# Allegro board BRD-05058-01_B04.brd (continued)
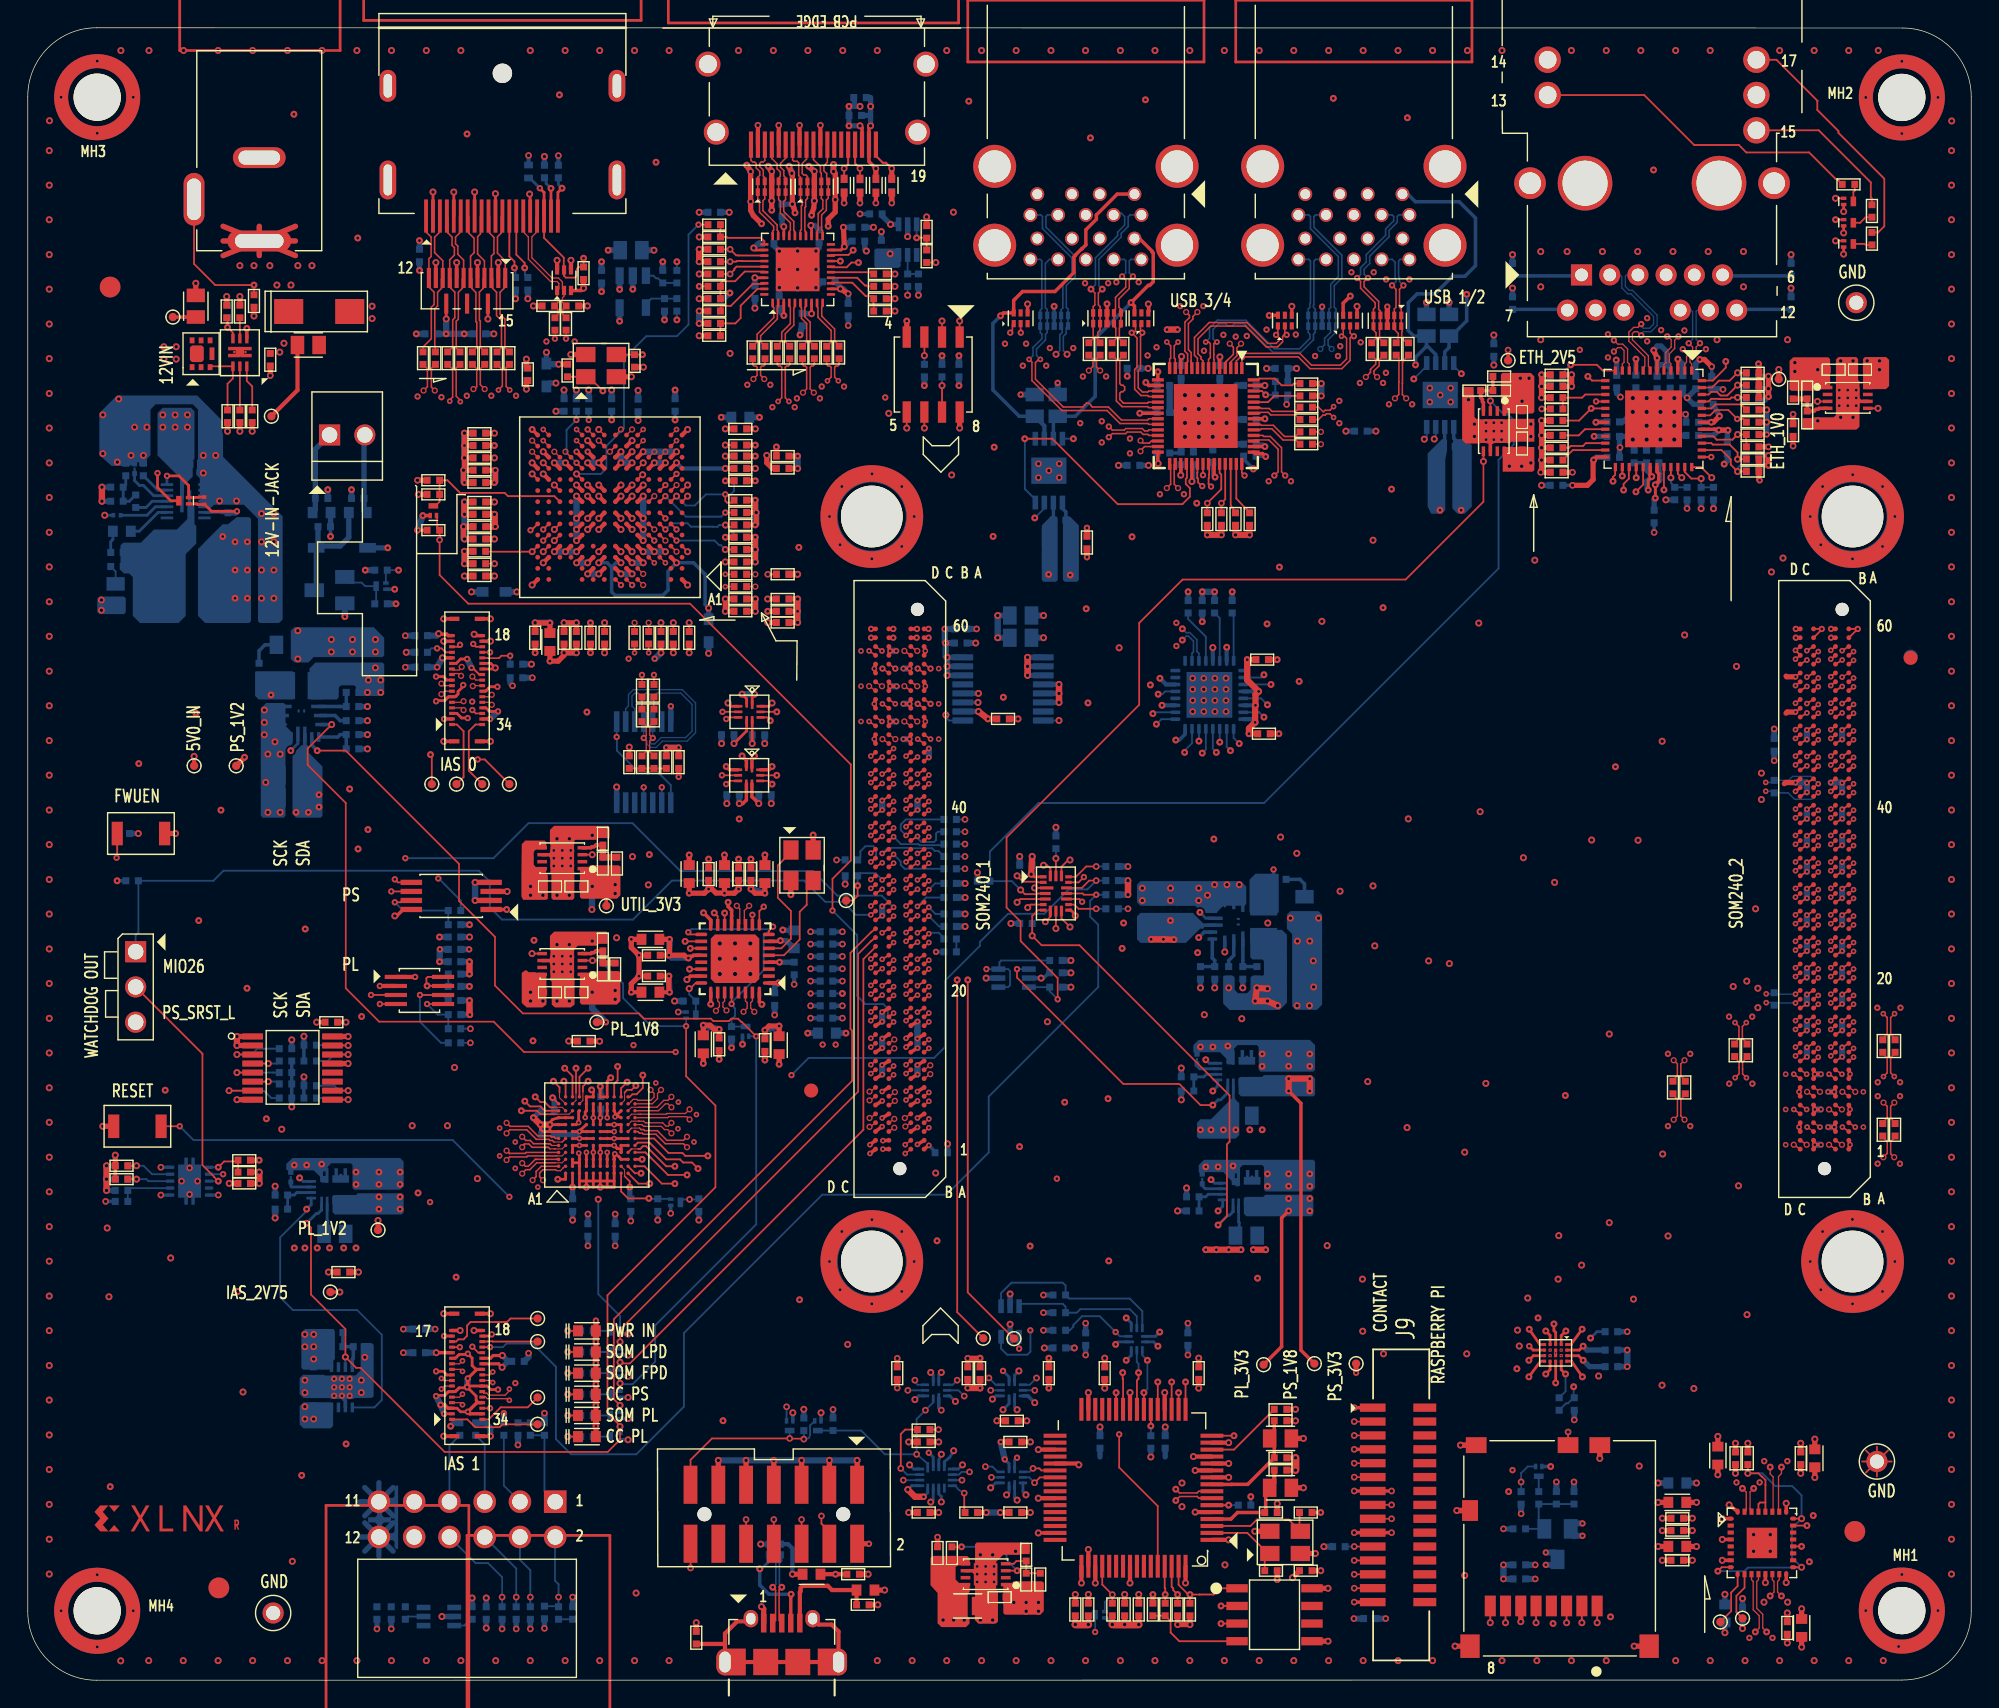
[diagram p0: board, top side]
## Routing (per net, layer and track width the routed paths; a pad name or vN(x,y) marks a point on that pad's centre or on a via; arc(x,y) is an arc through that point) (continued)
  L12_SIG w0.091: J10.9 114.57,98.66 114.09,98.18 114.09,98.02 115.09,97.02 115.09,96.27 114.77,95.96 114.54,95.96 v2(114.26,95.68)
GEM_TD_D_P: length 6.9
  TOP w0.094: U36.10 115.37,94.79 115.24,94.91 115.24,95.87 114.9,96.22 114.54,96.22 v2(114.26,96.49)
  L12_SIG w0.091: J10.8 113.34,98.66 113.83,98.17 113.83,97.91 114.83,96.92 114.83,96.38 114.67,96.22 114.54,96.22 v2(114.26,96.49)
GEM_XTAL_IN: length 4
  TOP w0.132: C172.1 C173.1 111.97,92.36 112.2,92.59 U36.15
GTH_DP0_C2M_N: length 194.2
  TOP w0.112: C347.2 122.96,45.89 123.27,46.2 123.27,47.08 v3(122.99,47.36)
  TOP w0.114: JA2.B10 v3(130.69,43.64)
  L12_SIG w0.112: v3(130.69,43.64) 130.35,43.31 130.35,43.04 130.09,42.78 126.7,42.78 117.61,33.69 116.22,33.69 115.96,33.96 115.96,35.43 115.85,35.54 99.49,35.54 99.38,35.43 99.38,34.99 99.49,34.87 115.03,34.87 115.29,34.61 115.29,33.96 115.03,33.69 98.35,33.69 95.13,36.92 95.13,50.22 95.39,50.48 96.04,50.48 96.3,50.22 96.3,46.81 96.42,46.7 96.86,46.7 96.97,46.81 96.97,50.22 97.24,50.48 97.89,50.48 98.18,50.19 98.18,47.11 98.29,46.99 98.73,46.99 98.85,47.11 98.85,51.01 98.71,51.15 95.39,51.15 95.13,51.41 95.13,53.92 97.81,56.61 98.92,56.61 99.18,56.35 99.18,54.87 99.29,54.76 117.64,54.76 117.75,54.87 117.75,55.32 117.64,55.43 100.11,55.43 99.85,55.69 99.85,56.35 100.11,56.61 118.36,56.61 120.6,54.37 120.6,46.88 121.26,46.22 123.14,46.22 123.26,46.34 123.26,47.09 v3(122.99,47.36)
GTH_DP0_C2M_P: length 194.2
  TOP w0.112: v3(123.8,47.36) 123.52,47.08 123.52,46.22 123.85,45.89 C345.2
  TOP w0.114: JA2.B9 v3(129.76,43.64)
  L12_SIG w0.112: v3(123.8,47.36) 123.51,47.07 123.51,46.23 123.24,45.96 121.15,45.96 120.34,46.77 120.34,54.27 118.26,56.35 100.22,56.35 100.11,56.24 100.11,55.79 100.22,55.68 117.74,55.68 118,55.42 118,54.76 117.74,54.5 99.19,54.5 98.93,54.76 98.93,56.24 98.82,56.35 97.91,56.35 95.38,53.82 95.38,51.51 95.49,51.4 98.82,51.4 99.1,51.12 99.1,47 98.84,46.74 98.18,46.74 97.92,47 97.92,50.09 97.79,50.22 97.34,50.22 97.23,50.11 97.23,46.7 96.97,46.44 96.31,46.44 96.05,46.7 96.05,50.11 95.94,50.22 95.49,50.22 95.38,50.11 95.38,37.03 98.46,33.95 114.92,33.95 115.04,34.06 115.04,34.51 114.92,34.62 99.38,34.62 99.12,34.88 99.12,35.54 99.38,35.8 115.95,35.8 116.21,35.54 116.21,34.06 116.33,33.95 117.51,33.95 124.11,40.55 124.11,40.71 124.03,40.79 124.03,40.95 124.18,41.11 124.34,41.11 124.43,41.03 124.58,41.03 124.74,41.18 124.74,41.34 124.66,41.43 124.66,41.58 124.82,41.74 124.97,41.74 125.06,41.66 125.22,41.66 126.59,43.04 129.99,43.04 130.1,43.15 130.1,43.31 v3(129.76,43.64)
GTH_DP0_M2C_N: length 9
  TOP w0.112: v3(123,43.39) 123.28,43.67 123.28,44.11 123.28,44.11 123.28,44.52 122.96,44.84 C347.1
  TOP w0.114: JA2.D10 v3(128.15,43.64)
  L12_SIG w0.099: 127.4,44.57 127.42,44.57 127.46,44.52 127.49,44.52 127.61,44.4 127.61,44.39 127.76,44.24 127.76,43.84 127.96,43.64 v3(128.15,43.64)
  L12_SIG w0.112: 127.4,44.57 127.28,44.57 123.53,44.57 123.26,44.31 123.26,43.66 v3(123,43.39)
GTH_DP0_M2C_P: length 9
  TOP w0.112: C345.1 123.85,44.84 123.53,44.52 123.53,43.67 v3(123.81,43.39)
  TOP w0.114: JA2.D9 v3(127.22,43.64)
  L12_SIG w0.099: v3(127.22,43.64) 127.46,43.64 127.56,43.74 127.56,44.16 127.4,44.31
  L12_SIG w0.112: 127.4,44.31 127.17,44.31 125.6,44.31 125.49,44.2 125.49,43.92 125.38,43.8 125.16,43.8 125.04,43.92 125.04,44.2 124.93,44.31 123.63,44.31 123.52,44.2 123.52,43.68 v3(123.81,43.39)
GTH_DP1_C2M_N: length 86.9
  TOP w0.112: C351.2 119.4,42.16 119.09,41.84 119.09,40.63 v5(119.35,40.37)
  TOP w0.114: JA2.D2 v5(128.15,38.56)
  L03_SIG w0.112: v5(128.15,38.56) 127.81,38.9 127.81,39.16 127.55,39.42 125.55,39.42 124.89,38.77 124.89,23.82 124.78,23.71 123.24,23.71 123.13,23.82 123.13,26.14 122.87,26.41 121.65,26.41 121.39,26.14 121.39,23.82 121.28,23.71 120.57,23.71 119.09,25.2 119.09,27.12 119.2,27.23 123.84,27.23 124.1,27.49 124.1,28.71 123.84,28.97 119.2,28.97 119.09,29.08 119.09,30.09 119.2,30.2 123.84,30.2 124.1,30.46 124.1,31.67 123.84,31.94 119.2,31.94 119.09,32.05 119.09,33.05 119.2,33.16 123.84,33.16 124.1,33.43 124.1,34.64 123.84,34.9 119.2,34.9 119,35.1 119,36 119.13,36.13 123.84,36.13 124.1,36.39 124.1,37.61 123.84,37.87 119.2,37.87 119.09,37.98 119.09,40.1 v5(119.35,40.37)
GTH_DP1_C2M_P: length 87.1
  TOP w0.112: C349.2 118.51,42.17 118.84,41.84 118.84,40.63 v5(118.57,40.37)
  TOP w0.114: JA2.D1 v5(127.22,38.56)
  L03_SIG w0.112: v5(118.57,40.37) 118.83,40.1 118.83,37.88 119.09,37.61 121.38,37.61 121.49,37.5 121.49,37.49 121.6,37.38 121.83,37.38 121.94,37.49 121.94,37.5 122.05,37.61 123.74,37.61 123.85,37.5 123.85,36.5 123.74,36.39 119.02,36.39 118.74,36.11 118.74,35 119.09,34.65 123.74,34.65 123.85,34.54 123.85,33.53 123.74,33.42 119.09,33.42 118.83,33.16 118.83,31.94 119.09,31.68 123.74,31.68 123.85,31.57 123.85,30.56 123.74,30.45 119.09,30.45 118.83,30.19 118.83,28.98 119.09,28.71 123.74,28.71 123.85,28.6 123.85,27.6 123.74,27.49 119.09,27.49 118.83,27.22 118.83,25.09 120.47,23.46 121.39,23.46 121.65,23.72 121.65,26.04 121.76,26.15 122.76,26.15 122.88,26.04 122.88,23.72 123.14,23.46 124.88,23.46 125.14,23.72 125.14,38.66 125.65,39.17 127.45,39.17 127.56,39.06 127.56,38.9 v5(127.22,38.56)
GTH_DP1_M2C_N: length 14.7
  TOP w0.112: v5(119.35,44.65) 119.08,44.38 119.08,43.53 119.4,43.21 C351.1
  TOP w0.114: JA2.C8 v5(129.11,42.37)
  L03_SIG w0.112: v5(129.11,42.37) 129.11,42.66 128.8,42.97 128.58,42.97 128.47,43.07 126.95,43.07 126.13,42.25 121.23,42.25 120.75,42.74 120.75,43.33 120.06,44.02 119.31,44.02 119.17,44.15 119.17,44.47 v5(119.35,44.65)
GTH_DP1_M2C_P: length 14.5
  TOP w0.112: C349.1 118.51,43.23 118.83,43.54 118.83,44.38 v5(118.57,44.65)
  TOP w0.114: JA2.C7 v5(128.18,42.37)
  L03_SIG w0.112: v5(128.18,42.37) 128.35,42.54 128.35,42.7 128.24,42.81 127.05,42.81 126.24,42 121.13,42 120.5,42.63 120.5,43.22 119.95,43.76 119.09,43.76 118.86,43.99 118.83,44.38 v5(118.57,44.65)
GTH_DP2_C2M_N: length 42.6
  TOP w0.112: v5(134.45,37.66) 134.2,37.91 134.2,38.79 134.52,39.11 C348.2
  TOP w0.114: JA2.B2 v5(130.69,38.56)
  L03_SIG w0.112: v5(134.45,37.66) 134.21,37.91 134.21,38.59 133.95,38.85 133.38,38.85 132.48,37.96 132.48,36.41 136.14,32.75 136.14,27.96 132.77,24.58 129.35,24.58 126.87,27.06 126.87,31.94 129.04,34.11 129.63,34.11 129.77,34.24 129.77,34.84 130.94,36.01 130.94,37.49 130.4,38.02 130.4,38.28 v5(130.69,38.56)
GTH_DP2_C2M_P: length 42.6
  TOP w0.112: v5(133.67,37.66) 133.95,37.94 133.95,38.79 133.63,39.11 C346.2
  TOP w0.114: JA2.B1 v5(129.76,38.56)
  L03_SIG w0.112: v5(129.76,38.56) 130.15,38.17 130.15,37.92 130.68,37.38 130.68,36.11 126.62,32.05 126.62,26.96 129.24,24.33 132.87,24.33 136.4,27.86 136.4,32.86 134.32,34.93 134.32,35.41 134.17,35.56 133.69,35.56 132.74,36.52 132.74,37.85 133.49,38.6 133.84,38.6 133.95,38.49 133.95,37.94 v5(133.67,37.66)
GTH_DP2_M2C_N: length 8.1
  TOP w0.112: C348.1 134.52,40.16 134.2,40.48 134.2,41.33 v5(134.46,41.6)
  TOP w0.114: JA2.B6 v5(130.69,41.1)
  L03_SIG w0.112: v5(130.69,41.1) 130.51,41.1 130.4,41.21 130.4,41.46 130.51,41.57 131.82,41.57 132.87,40.52 133.84,40.52 134.22,40.9 134.22,41.36 v5(134.46,41.6)
GTH_DP2_M2C_P: length 8.2
  TOP w0.112: v5(133.68,41.6) 133.95,41.33 133.95,40.49 133.63,40.17 C346.1
  TOP w0.114: JA2.B5 v5(129.76,41.1)
  L03_SIG w0.112: v5(133.68,41.6) 133.97,41.31 133.97,41 133.73,40.77 132.98,40.77 131.93,41.82 130.33,41.82 130.1,41.59 130.1,41.44 v5(129.76,41.1)
GTH_DP3_C2M_N: length 14.5
  TOP w0.112: C352.2 134.52,46.2 134.2,46.52 134.2,47.72 v3(134.48,48)
  TOP w0.114: JA2.D6 v3(128.15,41.1)
  L12_SIG w0.112: v3(134.48,48) 134.2,47.72 134.2,45.56 133,44.36 133,43.71 131.46,42.16 131.41,42.16 130.79,41.54 127.81,41.54 127.73,41.46 127.73,41.31 127.94,41.1 v3(128.15,41.1)
GTH_DP3_C2M_P: length 14.3
  TOP w0.112: C350.2 133.63,46.21 133.95,46.53 133.95,47.72 v3(133.67,48)
  TOP w0.114: JA2.D5 v3(127.22,41.1)
  L12_SIG w0.112: v3(133.67,48) 133.95,47.72 133.95,45.66 132.75,44.47 132.75,43.81 131.35,42.42 131.3,42.42 130.68,41.8 127.71,41.8 127.48,41.57 127.48,41.46 127.22,41.16 v3(127.22,41.1)
GTH_DP3_M2C_N: length 137.9
  TOP w0.112: v3(134.46,43.47) 134.2,43.74 134.2,44.82 134.52,45.14 C352.1
  TOP w0.114: JA2.A4 v3(131.65,39.83)
  L12_SIG w0.112: v3(134.46,43.47) 134.2,43.21 134.2,41.25 136.9,38.55 136.9,33.71 137.02,33.6 137.83,33.6 138.09,33.34 138.09,32.12 137.83,31.86 137.02,31.86 136.9,31.75 136.9,29.68 136.64,29.42 134.93,29.42 134.82,29.3 134.82,28.3 134.93,28.19 136.64,28.19 136.9,27.93 136.9,25.67 136.64,25.41 127.82,25.41 127.7,25.3 127.7,24.31 127.82,24.19 136.63,24.19 136.9,23.92 136.9,21.19 136.64,20.92 129.48,20.92 129.37,20.81 129.37,19.96 129.63,19.7 136.64,19.7 136.9,19.43 136.9,17.61 136.64,17.35 135.42,17.35 135.3,17.23 135.3,16.23 135.42,16.12 136.64,16.12 136.9,15.86 136.9,13.87 136.64,13.61 131.83,13.61 131.72,13.5 131.72,12.49 131.83,12.38 137.47,12.38 137.73,12.12 137.73,10.72 136.85,9.84 134.51,9.84 134.25,10.1 134.25,10.27 134.14,10.38 133.14,10.38 133.02,10.27 133.02,9.23 132.85,9.05 132.27,8.67 130.58,8.67 130.05,9.2 130.05,17.03 128.62,18.45 126.33,18.45 125.59,19.2 125.59,31.35 129.84,35.6 130.44,35.6 133.09,38.25 133.09,39.64 132.28,40.45 131.44,40.45 131.31,40.33 131.31,40.17 v3(131.65,39.83)
GTH_DP3_M2C_P: length 138.1
  TOP w0.112: C350.1 133.63,45.14 133.95,44.82 133.95,43.74 v3(133.68,43.47)
  TOP w0.114: JA2.A3 v3(130.72,39.83)
  L12_SIG w0.112: v3(130.72,39.83) 131.06,40.17 131.06,40.43 131.33,40.71 132.39,40.71 133.35,39.74 133.35,38.15 130.55,35.35 129.95,35.35 125.85,31.24 125.85,19.3 126.44,18.71 128.73,18.71 130.3,17.13 130.3,9.31 130.69,8.92 132.19,8.92 132.68,9.25 132.77,9.34 132.77,10.37 133.03,10.63 134.25,10.63 134.51,10.37 134.51,10.21 134.62,10.1 136.75,10.1 137.47,10.82 137.47,12.01 137.36,12.12 131.73,12.12 131.47,12.38 131.47,13.6 131.73,13.86 136.54,13.86 136.65,13.97 136.65,15.75 136.54,15.86 135.31,15.86 135.05,16.12 135.05,17.34 135.31,17.6 136.54,17.6 136.65,17.71 136.65,19.33 136.54,19.44 129.53,19.44 129.12,19.85 129.12,20.92 129.38,21.18 136.54,21.18 136.65,21.29 136.65,23.82 136.53,23.94 127.71,23.94 127.45,24.2 127.45,25.4 127.71,25.66 136.54,25.66 136.65,25.78 136.65,27.82 136.54,27.93 134.83,27.93 134.57,28.19 134.57,29.41 134.83,29.67 136.54,29.67 136.65,29.78 136.65,31.85 136.91,32.11 137.72,32.11 137.83,32.22 137.83,33.23 137.72,33.34 136.91,33.34 136.65,33.6 136.65,38.44 135.38,39.71 135.07,39.71 134.91,39.87 134.91,40.18 133.95,41.14 133.95,43.21 v3(133.68,43.47)
GTH_REFCLK0_C2M_N: length 47.5
  TOP w0.094: U40.11 124.17,7.24 124.3,7.11 124.3,5.07 124.73,4.64 124.73,3.76 v6(124.45,3.48) ; JA2.C4 v3(129.11,39.83)
  L12_SIG w0.091: v6(124.45,3.48) 124.73,3.76 124.73,4.49 124.18,5.04 124.18,7.16 123.59,7.74 123.59,11.3 125.37,13.07 125.37,14.58 124.45,15.51 124.45,32.32 125.99,33.86 125.99,39.55 126.98,40.53 128.53,40.53 128.77,40.29 128.77,40 128.94,39.83 v3(129.11,39.83)
GTH_REFCLK0_C2M_P: length 47.5
  TOP w0.094: JA2.C3 v3(128.18,39.83) ; U40.12 124.67,7.24 124.55,7.11 124.55,5.18 124.98,4.75 124.98,3.76 v6(125.26,3.48)
  L12_SIG w0.091: v6(125.26,3.48) 124.98,3.76 124.98,4.6 124.43,5.15 124.43,7.26 123.85,7.84 123.85,11.19 125.63,12.97 125.63,14.69 124.7,15.61 124.7,32.21 126.25,33.76 126.25,36.68 126.34,36.77 126.48,36.77 126.57,36.86 126.57,37.05 126.48,37.14 126.34,37.14 126.25,37.23 126.25,37.41 126.34,37.5 126.48,37.5 126.57,37.59 126.57,37.76 126.46,37.87 126.34,37.87 126.25,37.96 126.25,39.45 127.08,40.28 128.43,40.28 128.52,40.19 128.52,39.99 128.36,39.83 v3(128.18,39.83)
GTH_REFCLK1_C2M_N: length 56.1
  TOP w0.094: JA2.A8 v5(131.65,42.37) ; v6(125.52,6.07) 125.8,6.35 125.8,7.11 125.67,7.24 U40.14
  L03_SIG w0.091: v5(131.65,42.37) 131.31,42.71 131.31,42.84 131.47,43 132.65,43 133.91,44.26 136.24,44.26 137.69,42.81 137.69,23.36 135.61,21.27 135.61,12.79 133.58,10.77 133.45,10.77 133.32,10.9 133.15,10.9 133.06,10.81 133.06,10.64 133.2,10.51 133.2,10.38 132.97,10.15 132.84,10.15 132.79,10.2 132.66,10.2 132.53,10.07 132.53,9.94 132.58,9.89 132.58,9.76 130.25,7.43 127.91,7.43 127.62,7.72 127.61,7.72 127.42,7.91 126.39,7.91 125.8,7.32 125.8,6.35 v6(125.52,6.07)
GTH_REFCLK1_C2M_P: length 56
  TOP w0.094: U40.15 126.17,7.24 126.05,7.11 126.05,6.35 v6(126.33,6.07) ; JA2.A7 v5(130.72,42.37)
  L03_SIG w0.091: v5(130.72,42.37) 131.06,42.71 131.06,42.94 131.37,43.25 132.54,43.25 133.8,44.52 136.35,44.52 137.95,42.92 137.95,23.25 135.86,21.17 135.86,12.69 130.35,7.18 127.81,7.18 127.51,7.47 127.51,7.47 127.32,7.66 126.49,7.66 126.05,7.22 126.05,6.35 v6(126.33,6.07)
GTR_DP0_C2M_N_NC: length 0.6
  TOP w0.114: JA1.A56 v2(65.04,72.85)
GTR_DP0_C2M_P_NC: length 0.6
  TOP w0.114: JA1.A55 v2(64.11,72.85)
GTR_DP0_M2C_N: length 15.9
  TOP w0.114: C214.1 v5(52.41,79.64) ; JA1.B58 v5(64.08,74.12)
  L03_SIG w0.112: v5(64.08,74.12) 63.74,74.46 63.74,74.72 63.24,75.22 63.24,76.19 62.66,76.78 61.67,76.78 59.31,79.14 53.14,79.14 53.04,79.24 52.82,79.24 v5(52.41,79.64)
GTR_DP0_M2C_P: length 15.4
  TOP w0.114: C213.1 v5(52.41,78.75) ; JA1.B57 v5(63.15,74.12)
  L03_SIG w0.112: v5(52.41,78.75) 52.41,78.87 52.53,78.98 52.93,78.98 53.03,78.88 59.21,78.88 61.56,76.52 62.56,76.52 62.99,76.09 62.99,75.11 63.48,74.62 63.48,74.46 v5(63.15,74.12)
GTR_DP1_C2M_N_NC: length 0.6
  TOP w0.114: JA1.C56 v2(62.5,72.85)
GTR_DP1_C2M_P_NC: length 0.6
  TOP w0.114: JA1.C55 v2(61.57,72.85)
GTR_DP1_M2C_N: length 25.2
  TOP w0.114: JA1.A48 v3(65.04,67.77) ; C212.1 v3(44.73,73.99)
  L12_SIG w0.112: v3(44.73,73.99) 44.46,73.99 44.35,73.88 44.35,73.45 44.65,73.14 54.69,73.14 59.21,68.62 64.42,68.62 64.69,68.36 64.69,68.12 v3(65.04,67.77)
GTR_DP1_M2C_P: length 25.2
  TOP w0.114: JA1.A47 v3(64.11,67.77) ; C211.1 v3(43.71,73.99)
  L12_SIG w0.112: v3(64.11,67.77) 64.43,68.1 64.43,68.25 64.32,68.37 59.1,68.37 54.58,72.89 44.55,72.89 44.09,73.34 44.09,73.89 43.99,73.99 v3(43.71,73.99)
GTR_DP2_C2M_C_N: length 3.8
  TOP w0.114: U43.48 88.79,90.44 88.86,90.37 89.73,90.37 90.53,89.57 91.32,89.57 C309.2
GTR_DP2_C2M_C_P: length 3.8
  TOP w0.114: C310.2 91.34,89.31 90.43,89.31 89.62,90.12 88.86,90.12 88.78,90.04 U43.47
GTR_DP2_C2M_N: length 42.7
  TOP w0.114: C309.1 v5(93.15,89.9) ; JA1.B54 v5(64.08,71.58)
  L03_SIG w0.112: v5(93.15,89.9) 93.47,89.58 94.1,89.58 94.46,89.22 94.46,87.57 88.06,81.17 82.17,81.17 75.23,74.23 70.31,74.23 67.61,71.54 65.84,71.54 65.18,72.2 63.86,72.2 63.74,72.08 63.74,71.92 v5(64.08,71.58)
GTR_DP2_C2M_P: length 42.7
  TOP w0.114: JA1.B53 v5(63.15,71.58) ; C310.1 v5(93.15,89.01)
  L03_SIG w0.112: v5(93.15,89.01) 93.47,89.33 93.99,89.33 94.21,89.11 94.21,87.67 93.54,87 93.38,87 93.37,87.01 93.22,87.01 93.06,86.85 93.06,86.69 93.06,86.69 93.06,86.53 87.96,81.42 82.06,81.42 75.13,74.49 72.11,74.49 71.86,74.74 71.66,74.74 71.55,74.63 71.55,74.6 71.44,74.49 70.2,74.49 67.51,71.79 65.95,71.79 65.29,72.46 63.76,72.46 63.48,72.18 63.48,71.92 v5(63.15,71.58)
GTR_DP2_M2C_C_N: length 3.6
  TOP w0.114: U43.51 88.79,91.64 88.85,91.58 89.43,91.58 89.64,91.37 91.34,91.37 C315.2
GTR_DP2_M2C_C_P: length 3.6
  TOP w0.114: C316.2 91.32,91.12 89.54,91.12 89.35,91.31 88.8,91.31 88.74,91.24 U43.50
GTR_DP2_M2C_N: length 47.9
  TOP w0.114: JA1.D58 v3(61.54,74.12) ; v3(94.07,91.72) 93.81,91.45 93.45,91.45 93.36,91.36 93.3,91.36 92.98,91.68 C315.1
  L12_SIG w0.112: v3(94.07,91.72) 94.33,91.45 95.1,91.45 95.71,90.85 95.71,89.68 95.07,89.04 92.02,89.04 91.54,89.52 88.31,89.52 87.07,88.28 83.56,88.28 80.85,85.56 76.2,85.56 70.64,80 65.56,80 61.52,75.96 61.52,74.92 61.21,74.61 61.21,74.45 v3(61.54,74.12)
GTR_DP2_M2C_P: length 47.9
  TOP w0.114: JA1.D57 v3(60.61,74.12) ; v3(94.07,90.94) 93.81,91.2 93.56,91.2 93.46,91.1 93.3,91.1 92.98,90.79 C316.1
  L12_SIG w0.112: v3(60.61,74.12) 60.95,74.47 60.95,74.71 61.26,75.02 61.26,76.07 65.45,80.25 70.53,80.25 76.09,85.82 80.74,85.82 83.46,88.53 86.96,88.53 88.21,89.78 91.64,89.78 92.12,89.3 93.77,89.3 93.88,89.41 93.88,89.51 93.99,89.63 94.21,89.63 94.32,89.51 94.32,89.41 94.44,89.3 94.97,89.3 95.45,89.78 95.45,90.74 94.99,91.2 94.33,91.2 v3(94.07,90.94)
GTR_DP3_C2M_N_NC: length 0.6
  TOP w0.114: JA1.D50 v3(61.54,69.04)
GTR_DP3_C2M_P_NC: length 0.6
  TOP w0.114: JA1.D49 v3(60.61,69.04)
GTR_DP3_M2C_N_NC: length 0.6
  TOP w0.114: JA1.C52 v3(62.5,70.31)
GTR_DP3_M2C_P_NC: length 0.6
  TOP w0.114: JA1.C51 v3(61.57,70.31)
GTR_REFCLK0_C2M_N: length 30.2
  TOP w0.094: JA1.C48 v5(62.5,67.77) ; U17.30 51.7,48.92 51.82,48.8 51.82,48.4 v5(51.56,48.14)
  L03_SIG w0.091: v5(51.56,48.14) 51.83,48.4 51.83,48.79 52.56,49.53 54.19,49.53 54.5,49.84 54.5,50.35 55.71,51.56 55.71,54.31 56.67,55.26 56.67,60.22 57.07,60.62 57.07,66.24 59.3,68.47 61.91,68.47 62.15,68.23 62.15,67.97 62.35,67.77 v5(62.5,67.77)
GTR_REFCLK0_C2M_P: length 30.2
  TOP w0.094: U17.31 52.2,48.92 52.08,48.8 52.08,48.4 v5(52.34,48.14) ; JA1.C47 v5(61.57,67.77)
  L03_SIG w0.091: v5(61.57,67.77) 61.66,67.77 61.9,68.01 61.9,68.12 61.81,68.21 59.41,68.21 58.78,67.58 58.78,67.45 58.87,67.36 58.87,67.23 58.74,67.1 58.61,67.1 58.52,67.19 58.39,67.19 58.26,67.07 58.26,66.94 58.36,66.84 58.36,66.71 58.23,66.58 58.1,66.58 58,66.68 57.87,66.68 57.33,66.13 57.33,60.52 56.92,60.11 56.92,55.16 55.97,54.21 55.97,51.45 54.76,50.24 54.76,49.73 54.3,49.27 52.67,49.27 52.08,48.69 52.08,48.34 52.16,48.27 52.16,48.23 52.25,48.14 v5(52.34,48.14)
GTR_REFCLK1_C2M_N: length 35.1
  TOP w0.094: U17.26 49.7,48.92 49.82,48.8 49.82,48.5 49.55,48.24 49.55,48.21 v5(49.58,48.21) ; JA1.B50 v5(64.08,69.04)
  L03_SIG w0.084: v5(64.08,69.04) 63.71,69.41 63.71,69.61 63.51,69.81 62.75,69.81 62.6,69.66 61.75,69.66 61.55,69.86 60.77,69.86 60.74,69.89 60.72,69.89
  L03_SIG w0.091: 60.72,69.89 58.57,69.89 55.83,67.15 55.83,55.57 54.81,54.56 54.81,51.8 54.16,51.15 53.21,51.15 52.4,50.34 52.23,50.34 52.22,50.34 50.93,50.34 49.85,49.26 49.85,48.38 49.76,48.29 49.74,48.29 49.69,48.24 49.55,48.24 49.55,48.21 v5(49.58,48.21)
GTR_REFCLK1_C2M_P: length 35.1
  TOP w0.094: v5(50.33,48.24) 50.08,48.49 50.08,48.8 50.2,48.92 U17.27 ; JA1.B49 v5(63.15,69.04)
  L03_SIG w0.084: 60.72,69.64 60.74,69.64 60.77,69.66 61.47,69.66 61.67,69.46 62.69,69.46 62.84,69.61 63.43,69.61 63.51,69.52 63.51,69.41 v5(63.15,69.04)
  L03_SIG w0.091: v5(50.33,48.24) 50.2,48.24 50.11,48.33 50.11,49.16 51.03,50.08 51.31,50.08 51.41,49.99 51.41,49.99 51.5,49.89 51.68,49.89 51.77,49.99 51.77,49.99 51.86,50.08 52.33,50.08 52.33,50.09 52.5,50.09 53.31,50.89 54.26,50.89 55.07,51.7 55.07,54.45 56.08,55.47 56.08,67.04 57.04,68 57.17,68 57.21,67.97 57.4,67.97 57.5,68.06 57.5,68.19 57.43,68.26 57.43,68.39 57.56,68.52 57.69,68.52 57.78,68.43 57.91,68.43 58.04,68.56 58.04,68.69 57.95,68.78 57.95,68.91 58.68,69.64 60.72,69.64
GTR_REFCLK2_C2M_N: length 27.9
  TOP w0.094: v5(51.97,55.77) 51.62,55.42 51.62,54.47 U17.11 ; JA1.D54 v5(61.54,71.58)
  L03_SIG w0.091: v5(61.54,71.58) 61.2,71.92 61.2,72.15 60.87,72.48 59.21,72.48 54.81,68.08 54.81,58.43 53.86,57.48 53.86,55.71 52.77,54.62 51.72,54.62 51.56,54.78 51.56,55.36 v5(51.97,55.77)
GTR_REFCLK2_C2M_P: length 27.9
  TOP w0.094: JA1.D53 v5(60.61,71.58) ; U17.12 51.29,54.49 51.29,55.55 v5(51.08,55.77)
  L03_SIG w0.091: v5(51.08,55.77) 51.3,55.54 51.3,54.67 51.61,54.37 52.88,54.37 54.11,55.6 54.11,56.44 54.26,56.59 54.26,56.81 54.11,56.96 54.11,57.37 55.07,58.33 55.07,67.98 59.31,72.23 60.77,72.23 60.94,72.05 60.94,71.92 v5(60.61,71.58)
GTR_REFCLK3_C2M_N_NC: length 0.6
  TOP w0.114: JA1.A52 v2(65.04,70.31)
GTR_REFCLK3_C2M_P_NC: length 0.6
  TOP w0.114: JA1.A51 v2(64.11,70.31)
HDA00_CC: length 68
  TOP w0.132: JA1.D16 v3(60.73,47.5) ; U18.14 v4(23.08,45.06)
  L03_SIG w0.102: v3(60.73,47.5) 60.36,47.13 60.36,45.29 59.04,43.97 54.85,43.97 54.82,43.93 54.71,43.93 54.23,43.46 47.5,43.46 46.38,44.58 44.06,44.58 42.77,43.3 42.77,42.46 43.63,41.6 43.63,36.8 42.76,35.92 42.76,32.88 40.68,30.8 30.12,30.8 27.3,33.62 27.3,36.92 26.62,37.6 26.62,42.27 23.83,45.06 v4(23.08,45.06)
  BOTTOM w0.132: v4(23.08,45.06) 22.07,45.06 21.6,44.59 R60.2
HDA01: length 66.8
  TOP w0.132: U18.15 v4(23.08,45.71) ; JA1.D17 v3(60.73,48.13)
  L03_SIG w0.102: v3(60.73,48.13) 60.12,47.52 60.12,45.87 58.75,44.5 54.94,44.5 54.29,43.86 47.44,43.86 46.48,44.82 43.67,44.82 42.39,43.53 42.39,41.58 43.18,40.78 43.18,37.18 42.14,36.14 42.14,33.99 39.68,31.52 30.39,31.52 27.66,34.25 27.66,37.8 27.06,38.39 27.06,42.84 24.19,45.71 v4(23.08,45.71)
  BOTTOM w0.132: v4(23.08,45.71) 23.05,45.73 R65.2
HDA02: length 16.5
  TOP w0.132: v4(73.3,54.62) 73.66,54.99 U19.8 ; JA1.D18 v3(61.55,49.34)
  L10_SIG w0.102: v3(61.55,49.34) 61.98,49.76 61.98,50.07 62.39,50.48 65.58,50.48 66.17,49.89 69.3,49.89 73.3,53.89 v4(73.3,54.62)
HDA03: length 34.7
  TOP w0.132: JA1.B16 v3(63.27,47.5)
  L03_SIG w0.102: v1(47.67,34.63) 62.68,34.63 65.51,37.45 65.51,42.4 64.89,43.02 62.15,43.02 61.92,43.25 61.92,45.68 61.92,45.69 61.92,46.35 62.53,46.96 62.74,46.96 v3(63.27,47.5)
  BOTTOM w0.132: Q1.3 47.23,34.63 v1(47.67,34.63) 48.3,34.63 R90.2
HDA04: length 16.9
  TOP w0.132: JA1.B17 v3(63.27,48.13) ; U19.9 v4(74.06,54.13)
  L10_SIG w0.102: v4(74.06,54.13) 74.06,50.84 71.7,48.48 63.62,48.48 v3(63.27,48.13)
HDA05_NC: length 0.6
  TOP w0.132: JA1.B18 v3(64.09,49.34)
HDA06_NC: length 0.4
  TOP w0.132: JA1.C18 v3(62.37,49.31)
HDA07_NC: length 0.4
  TOP w0.132: JA1.C19 v3(62.37,49.95)
HDA08_CC_NC: length 0.6
  TOP w0.132: JA1.C20 v3(61.55,50.01)
HDA09: length 16.8
  TOP w0.132: v4(75.08,54.24) 74.46,54.86 U19.10 ; JA1.A15 v3(64.91,47.41)
  L10_SIG w0.102: v3(64.91,47.41) 71.66,47.41 74.53,50.28 74.53,53.69 v4(75.08,54.24)
HDA10: length 64.1
  TOP w0.132: J9.12 v1(95.56,8.63) ; JA1.A16 v3(64.91,48.04)
  L03_SIG w0.102: v1(95.56,8.63) 94.87,9.31 94.87,9.97 95.07,10.17 97.27,10.17 97.46,9.99 98.53,9.99 99.31,10.76 99.31,19.35 97.36,21.3 91.73,21.3 78.11,34.92 78.11,36.48 66.55,48.04 v3(64.91,48.04)
HDA11: length 7.2
  TOP w0.132: JA1.A17 v3(64.09,48.11)
  L05_SIG w0.102: v1(58.68,47.68) 59.58,48.58 63.62,48.58 v3(64.09,48.11)
  BOTTOM w0.305: R276.1 v1(58.68,47.68)
HDA12: length 4.7
  TOP w0.132: JA1.D20 v3(60.73,50.04)
  L05_SIG w0.102: v3(60.73,50.04) 60.73,49.98 60.14,49.38 59.92,49.38 59.82,49.49 59.82,49.94 59.72,50.05 59.51,50.05 59.41,49.94 59.41,49.46 59.29,49.34 58.8,49.34 v6(58.68,49.46)
  BOTTOM w0.132: R278.1 v6(58.68,49.46)
HDA13: length 4.7
  TOP w0.132: JA1.D21 v3(61.55,51.24)
  L05_SIG w0.102: v1(58.68,52.12) 59.87,50.94 61.23,50.94 61.54,51.24 v3(61.55,51.24)
  BOTTOM w0.305: R280.1 v1(58.68,52.12)
HDA14: length 4.7
  TOP w0.132: JA1.D22 v3(60.73,51.31)
  L05_SIG w0.102: v3(60.73,51.31) 59.64,52.39 59.64,53.29 59.53,53.4 59.08,53.4 v1(58.68,53.01)
  BOTTOM w0.305: R282.1 v1(58.68,53.01)
HDA15: length 6.6
  TOP w0.132: JA1.B20 v3(63.27,50.04)
  L05_SIG w0.102: v3(63.27,50.04) 62.86,49.63 62.86,49.16 62.63,48.93 59.05,48.93 v1(58.68,48.57)
  BOTTOM w0.305: R277.1 v1(58.68,48.57)
HDA16_CC: length 7
  TOP w0.132: JA1.B21 v3(64.09,51.24)
  L05_SIG w0.102: v3(64.09,51.24) 63.29,50.43 59.49,50.43 59.4,50.35 v1(58.68,50.35)
  BOTTOM w0.305: R279.1 v1(58.68,50.35)
HDA17: length 6.2
  TOP w0.132: JA1.B22 v3(63.27,51.31)
  L05_SIG w0.102: v3(63.27,51.31) 63.26,51.31 62.63,50.69 59.23,50.69 v1(58.68,51.23)
  BOTTOM w0.305: R281.1 v1(58.68,51.23)
HDA18: length 6.1
  TOP w0.132: JA1.C22 v3(62.37,51.85)
  L05_SIG w0.102: v1(58.68,53.9) 59.74,53.9 60.03,53.61 60.03,52.94 60.63,52.34 61.87,52.34 62.36,51.85 v3(62.37,51.85)
  BOTTOM w0.305: R283.1 v1(58.68,53.9)
HDA19_NC: length 0.6
  TOP w0.132: JA1.C23 v3(61.55,51.92)
HDA20: length 65.8
  TOP w0.132: JA1.C24 v3(62.37,53.12)
  L05_SIG w0.102: v6(26.71,79.94) 28.62,78.02 29.64,78.02 31.12,76.54 32.49,76.54 33.35,75.68 34.31,75.68 36.39,73.6 36.67,73.6 38.78,71.49 38.78,63.57 42.14,60.21 42.76,60.21 42.86,60.31 42.86,61.56 42.96,61.66 43.37,61.66 43.47,61.56 43.47,60.31 43.57,60.21 43.98,60.21 44.08,60.31 44.08,61.56 44.18,61.66 44.59,61.66 44.69,61.56 44.69,60.31 44.79,60.21 45.19,60.21 45.3,60.31 45.3,61.56 45.4,61.66 45.8,61.66 45.91,61.56 45.91,60.31 46.01,60.21 46.72,60.21 46.82,60.31 46.82,60.87 46.92,60.97 47.12,60.97 47.22,60.87 47.22,60.31 47.32,60.21 47.53,60.21 47.63,60.31 47.63,60.87 47.73,60.97 47.93,60.97 48.04,60.87 48.04,60.31 48.14,60.21 48.34,60.21 48.44,60.31 48.44,60.87 48.54,60.97 48.75,60.97 48.85,60.87 48.85,60.31 48.95,60.21 53.31,60.21 56.89,56.63 58.48,56.63 60.74,54.37 61.77,54.37 61.92,54.22 61.92,53.57 v3(62.37,53.12)
  BOTTOM w0.132: v6(26.71,79.94) R261.1 25.8,79.84 Q20.1
HDB01_HDB00_CC: length 1.8
  TOP w0.132: JA2.D44 v3(128.17,65.85) ; JA2.D45 v3(127.34,65.91)
  L12_SIG w0.102: v3(128.17,65.85) v3(127.34,65.91)
HDB03_HDB02: length 2.1
  TOP w0.132: JA2.D48 v3(127.34,67.82) ; JA2.D46 v3(127.34,66.55)
  L12_SIG w0.102: v3(127.34,67.82) v3(127.34,66.55)
HDB05_HDB04: length 2.5
  TOP w0.132: JA2.D49 v3(127.34,68.45) ; JA2.D50 v3(128.17,69.66)
  L12_SIG w0.102: v3(127.34,68.45) v3(128.17,69.66)
HDB07_HDB06: length 2.5
  TOP w0.132: JA2.C46 v3(128.16,66.52) ; JA2.C47 v3(128.98,67.73)
  L12_SIG w0.102: v3(128.98,67.73) 128.98,67.72 v3(128.16,66.52)
HDB09_HDB08_CC: length 2.1
  TOP w0.132: JA2.C50 v3(128.98,69.63) ; JA2.C48 v3(128.98,68.36)
  L12_SIG w0.102: v3(128.98,68.36) v3(128.98,69.63)
HDB11_HDB10: length 1.8
  TOP w0.132: JA2.C51 v3(128.98,70.27) ; JA2.C52 v3(128.16,70.33)
  L12_SIG w0.102: v3(128.16,70.33) v3(128.98,70.27)
